# KiCad board OPS-K3572.kicad_pcb (continued)
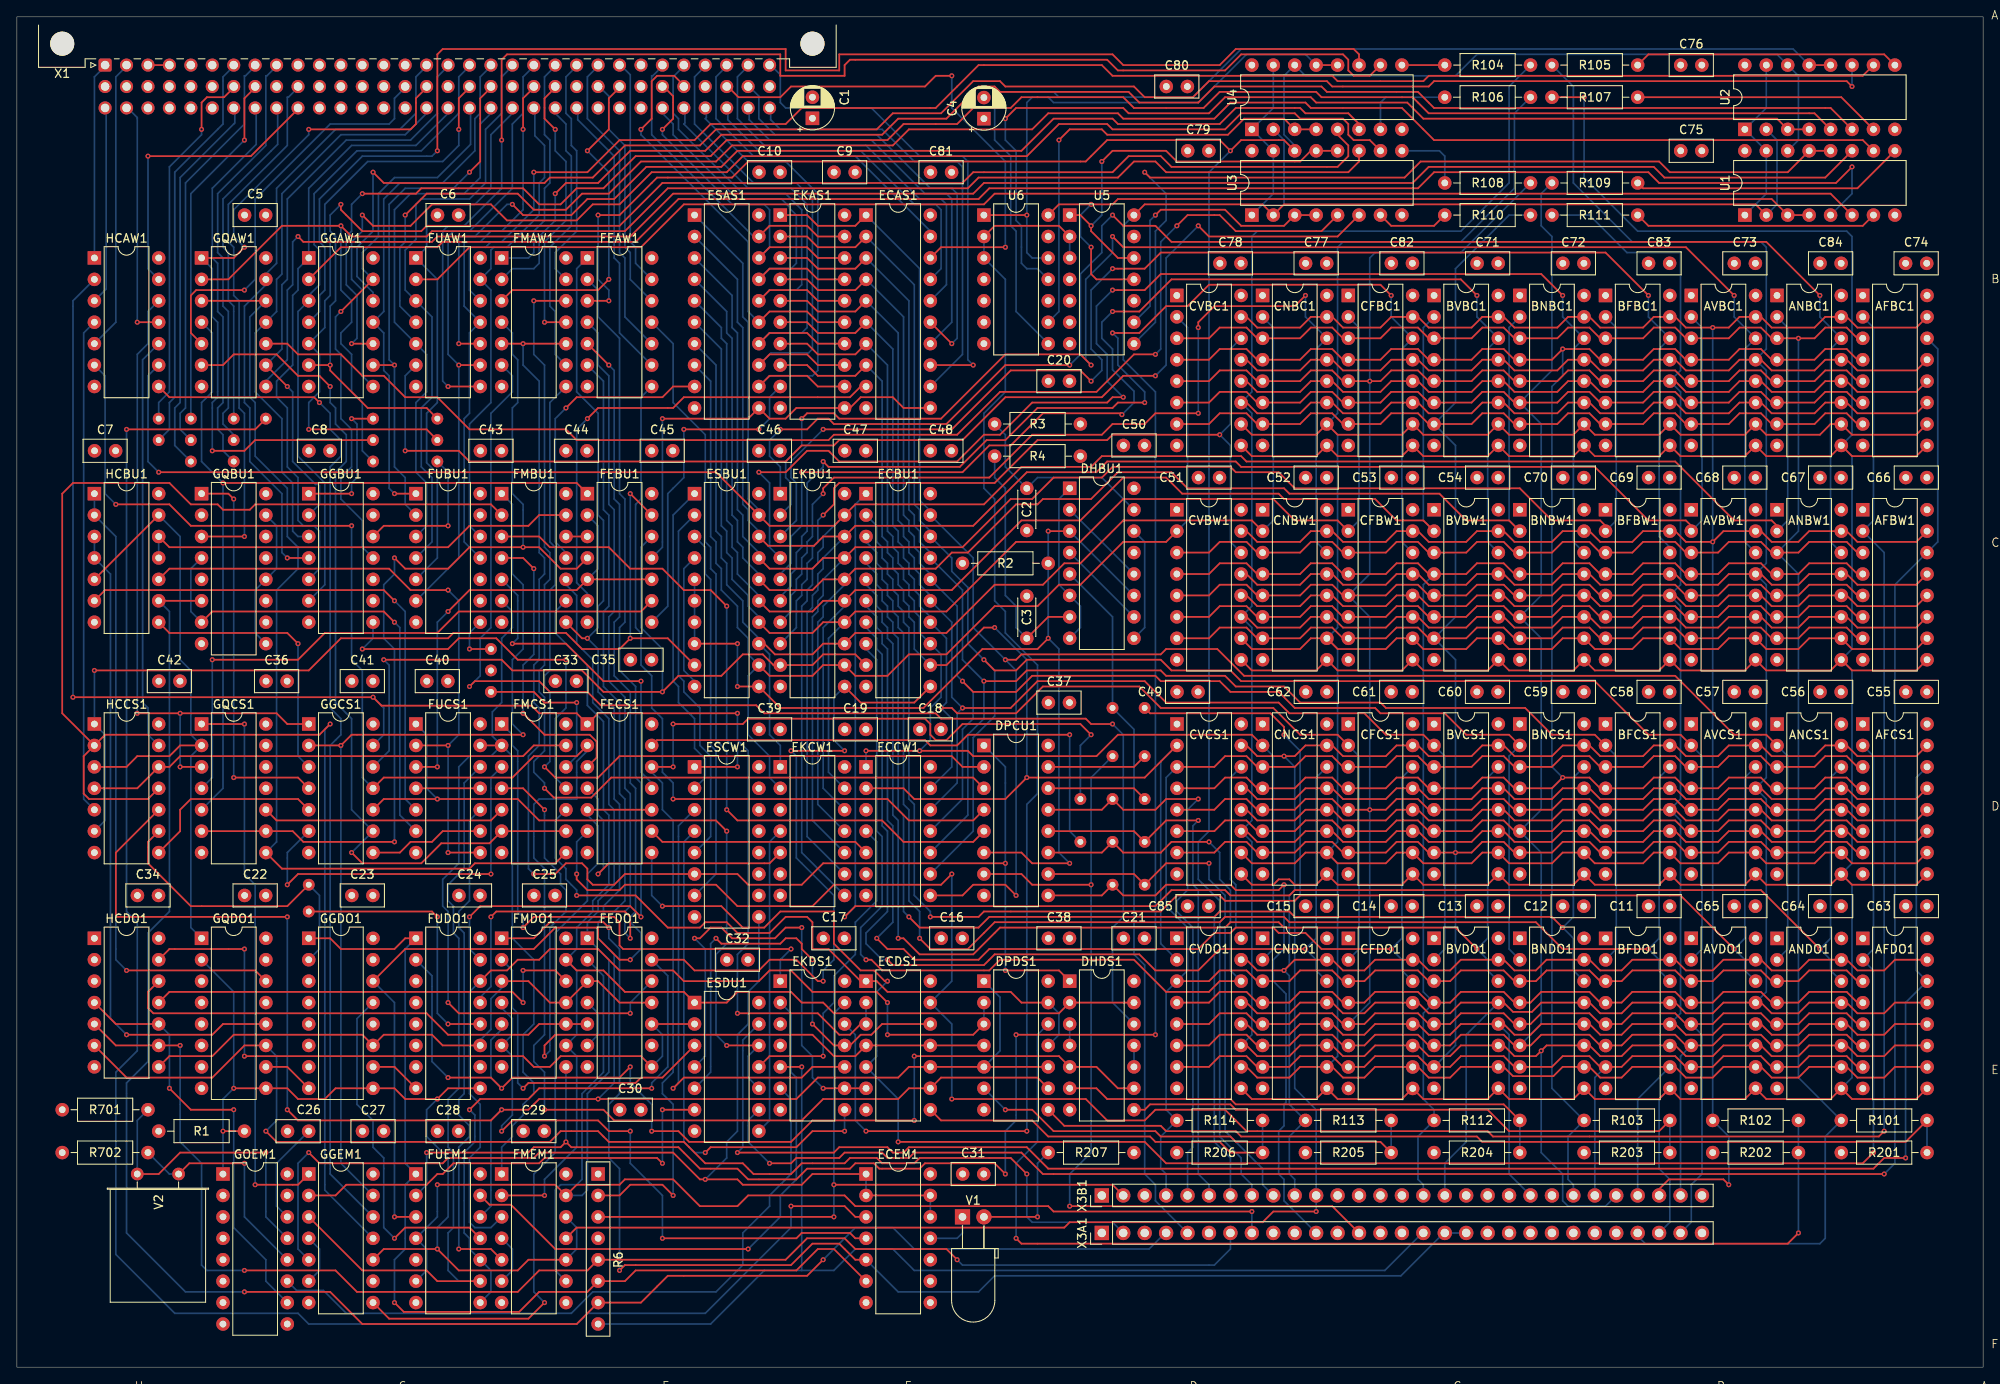
[diagram p0: board, top side]
## Routing (per net, layer and track width the routed paths; a pad name or vN(x,y) marks a point on that pad's centre or on a via; arc(x,y) is an arc through that point) (continued)
-RAS1: length 283.9
  Top w0.2: 137.45,68.61 141.9,68.61 143.17,69.88 145.71,69.88 146.98,68.61 CNCS1.4 151.43,68.61 152.69,69.88 155.87,69.88 157.14,68.61 CFCS1.4 162.22,68.61 163.49,69.88 166.03,69.88 167.3,68.61 BVCS1.4 172.38,68.61 173.65,69.88 176.19,69.88 177.46,68.61 BNCS1.4 181.91,68.61 v1(183.18,69.88) 186.35,69.88 187.62,68.61 BFCS1.4 192.7,68.61 193.97,69.88 196.51,69.88 197.78,68.61 AVCS1.4 201.59,68.61 202.86,69.88 206.67,69.88 207.94,68.61 213.02,68.61 214.29,69.88 216.83,69.88 218.1,68.61 AFCS1.4 ; AFBC1.4 218.1,119.41 216.83,120.68 214.29,120.68 213.02,119.41 ANBC1.4 207.94,119.41 206.67,120.68 204.13,120.68 202.86,119.41 AVBC1.4 197.78,119.41 196.51,120.68 193.97,120.68 192.7,119.41 BFBC1.4 187.62,119.41 186.35,120.68 v1(183.18,120.68) 181.91,119.41 BNBC1.4 177.46,119.41 176.19,120.68 173.65,120.68 172.38,119.41 BVBC1.4 167.3,119.41 166.03,120.68 162.86,120.68 161.58,119.41 CFBC1.4 157.14,119.41 155.87,120.68 153.33,120.68 152.06,119.41 CNBC1.4 146.98,119.41 145.71,120.68 142.54,120.68 141.26,119.41 CVBC1.4
  Bottom w0.2: v1(183.18,120.68) 183.18,117.51 181.91,116.24 181.91,71.15 v1(183.18,69.88) 181.91,68.61 181.91,33.05 R103.2 183.81,27.34 183.81,22.26 184.44,21.62 X3B1.23
-REF-CLR: length 197.5
  Top w0.2: v1(49.83,21.62) 63.8,21.62 FMEM1.13 66.34,21.62 71.42,21.62 72.05,22.26 77.77,22.26 80.94,19.08 85.39,19.08 86.66,20.35 98.08,20.35 99.36,19.08 122.21,19.08 122.85,18.45 v1(146.35,18.45)
  Bottom w0.2: v1(146.35,18.45) X3A1.8 ; FMEM1.13 66.97,20.35 67.61,20.99 67.61,32.42 70.14,34.96 70.14,48.29 FEDO1.1 67.61,52.74 68.88,54.01 68.88,55.28 70.78,57.18 70.78,66.07 70.14,66.71 70.14,76.87 68.24,78.77 68.24,83.85 66.34,85.76 66.34,91.47 65.06,92.74 FMBU1.10 ; v1(49.83,21.62) 49.83,17.81 FUEM1.4 48.56,14 48.56,11.46 FUEM1.6
-SET-MCLK: length 168.2
  Top w0.2: v1(111.42,12.73) 110.15,14 99.36,14 98.08,15.27 93.64,15.27 91.1,12.73 R6.5 67.61,11.46 61.89,11.46 59.35,8.92 40.3,8.92 37.76,11.46 v1(26.97,11.46) ; v1(19.34,38.13) HCDO1.9 11.73,38.13 HCDO1.5
  Bottom w0.2: X3A1.7 143.81,14 141.9,12.1 112.05,12.1 v1(111.42,12.73) ; v1(26.97,11.46) 22.52,11.46 21.89,12.1 21.89,24.16 19.34,26.7 v1(19.34,38.13)
-WE0: length 314.3
  Top w0.2: AFBC1.3 218.1,121.95 216.83,123.22 214.29,123.22 213.02,121.95 v1(211.12,121.95) ANBC1.3 207.94,121.95 206.67,123.22 204.13,123.22 202.86,121.95 AVBC1.3 197.78,121.95 196.51,123.22 193.97,123.22 192.7,121.95 BFBC1.3 187.62,121.95 186.35,123.22 183.81,123.22 182.54,121.95 BNBC1.3 177.46,121.95 176.19,123.22 173.65,123.22 172.38,121.95 BVBC1.3 167.3,121.95 166.03,123.22 162.86,123.22 161.58,121.95 CFBC1.3 157.14,121.95 155.87,123.22 153.33,123.22 152.06,121.95 CNBC1.3 146.98,121.95 145.71,123.22 142.54,123.22 141.26,121.95 CVBC1.3 ; AFBW1.3 218.1,96.55 216.83,97.82 212.38,97.82 211.12,96.55 ANBW1.3 207.94,96.55 206.67,97.82 202.86,97.82 201.59,96.55 AVBW1.3 197.78,96.55 196.51,97.82 192.7,97.82 191.43,96.55 BFBW1.3 187.62,96.55 186.35,97.82 183.18,97.82 181.91,96.55 BNBW1.3 177.46,96.55 176.19,97.82 173.01,97.82 171.75,96.55 BVBW1.3 167.3,96.55 166.03,97.82 163.49,97.82 162.22,96.55 CFBW1.3 157.14,96.55 155.87,97.82 153.33,97.82 152.06,96.55 CNBW1.3 146.98,96.55 145.71,97.82 142.54,97.82 141.26,96.55 CVBW1.3
  Bottom w0.2: 191.82,15.78 192.97,14.63 213.65,14.63 214.29,15.27 214.29,27.34 R101.2 211.12,34.32 211.12,94.01 ANBW1.3 211.12,99.09 v1(211.12,121.95)
-WE1: length 234.4
  Top w0.2: CVDO1.3 141.26,45.75 142.54,47.02 145.71,47.02 146.98,45.75 CNDO1.3 150.79,45.75 152.06,47.02 155.87,47.02 157.14,45.75 159.68,45.75 160.95,47.02 166.03,47.02 167.3,45.75 BVDO1.3 169.84,45.75 171.11,47.02 176.19,47.02 177.46,45.75 BNDO1.3 180,45.75 181.27,47.02 186.35,47.02 187.62,45.75 190.16,45.75 191.43,47.02 196.51,47.02 197.78,45.75 AVDO1.3 200.95,45.75 202.23,47.02 206.67,47.02 207.94,45.75 211.12,45.75 212.38,47.02 216.83,47.02 218.1,45.75 218.74,45.75 ; 137.45,71.15 141.9,71.15 143.17,72.42 145.71,72.42 146.98,71.15 CNCS1.3 151.43,71.15 152.69,72.42 155.87,72.42 157.14,71.15 CFCS1.3 162.22,71.15 163.49,72.42 166.03,72.42 167.3,71.15 BVCS1.3 172.38,71.15 173.65,72.42 176.19,72.42 177.46,71.15 BNCS1.3 181.91,71.15 183.18,72.42 186.35,72.42 187.62,71.15 BFCS1.3 192.7,71.15 193.97,72.42 196.51,72.42 197.78,71.15 AVCS1.3 201.59,71.15 202.86,72.42 206.67,72.42 207.94,71.15 213.02,71.15 214.29,72.42 216.83,72.42 218.1,71.15 AFCS1.3
  Bottom w0.2: X3B1.4 136.19,22.89 135.55,23.53 135.55,27.34 R114.2 136.19,30.51 136.19,44.48 CVDO1.3 138.73,47.02 138.73,52.1 136.19,54.64 136.19,69.88 137.45,71.15
-XACK: length 62.8
  Top w0.2: v1(26.97,98.46) GQBU1.3
  Bottom w0.2: v1(26.97,98.46) 26.97,113.06 26.33,113.7 26.33,126.4 25.7,127.03 25.7,132.75 25.06,133.38 25.06,137.83 32.05,144.81 32.05,150.53 32.17,150.53 33.44,151.8
-XACKIN: length 216.6
  Top w0.2: v1(95.55,12.73) 93.64,10.83 77.13,10.83 73.95,7.65 R6.7 66.34,5.11 40.94,5.11 37.12,8.92 v1(26.97,8.92) ; HCBU1.9 GQBU1.6
  Bottom w0.2: HCBU1.9 18.08,89.57 18.08,54.01 15.54,51.47 15.54,36.23 13,33.69 13,15.91 19.98,8.92 v1(26.97,8.92) ; v1(95.55,12.73) 99.36,16.54 103.8,16.54 106.34,14 134.16,14 135.94,15.78
/SB1: length 95.9
  Top w0.2: v1(43.48,83.85) 57.45,83.85 58.72,82.58 66.97,82.58 69.51,80.04 v1(76.5,80.04) 78.4,81.95 83.48,81.95 86.02,84.49 88.39,84.49 89.66,83.22 EKBU1.9 94.28,83.22 95.55,84.49 99.36,84.49 ECBU1.9
  Bottom w0.2: GGCS1.12 44.11,73.06 44.11,83.22 v1(43.48,83.85) ; FEBU1.12 73.95,97.19 73.95,87.66 76.5,85.12 v1(76.5,80.04)
/SB2: length 13.8
  Top w0.2: FUCS1.9 50.46,63.53 49.19,62.26 46.65,62.26 45.38,60.99 GGCS1.8
/SB3: length 219.1
  Top w0.2: v1(62.53,30.51) 69.51,30.51 70.78,29.24 93,29.24 95.55,31.78 104.43,31.78 105.7,33.05 ECDS1.9 109.52,34.32 120.95,34.32 DPDS1.9 ; v1(39.67,99.73) 20.62,99.73 18.08,102.27 v1(11.73,102.27) ; GGCS1.11 43.48,69.88 58.72,69.88 61.25,72.42 66.34,72.42 67.61,73.69
  Bottom w0.2: HCAW1.6 10.45,117.51 10.45,103.54 v1(11.73,102.27) ; GGCS1.11 40.94,69.88 40.94,82.58 39.67,83.85 v1(39.67,99.73) ; v1(62.53,30.51) 62.53,34.96 61.25,36.23 61.25,38.13 62.53,39.4 62.53,59.09 61.25,60.36 61.25,66.71 61.89,67.34 66.34,67.34 66.34,71.79 67.61,73.06 67.61,73.69
/SB4: length 35.1
  Top w0.2: v1(65.06,113.7) 66.34,114.97 76.5,114.97 77.77,116.24 ESAS1.9
  Bottom w0.2: FMBU1.11 65.06,96.55 63.8,97.82 63.8,112.43 v1(65.06,113.7)
/SB5: length 39.5
  Top w0.2: v1(79.03,111.16) v1(87.92,111.16)
  Bottom w0.2: FEBU1.8 77.13,90.2 77.13,103.54 79.03,105.44 v1(79.03,111.16) ; v1(87.92,111.16) 89.2,112.43 89.2,114.97 EKAS1.9
/SB6: length 57.2
  Top w0.2: ECAS1.9 99.99,116.24 98.72,114.97 79.03,114.97 77.77,113.7 68.88,113.7 v1(67.61,112.43)
  Bottom w0.2: v1(67.61,112.43) 66.34,111.16 66.34,92.97 67.61,91.7 FEBU1.6
/SB7: length 92.9
  Top w0.2: v1(62.53,36.86) 62.53,38.13 63.8,39.4 94.28,39.4 96.82,36.86 99.36,36.86 ECDS1.4 ECDS1.11 DPDS1.4 ; v1(62.53,66.07) 59.98,68.61 FMCS1.4
  Bottom w0.2: v1(62.53,66.07) 62.53,60.36 64.43,58.45 64.43,57.18 65.06,56.55 65.06,54.01 63.16,52.1 63.16,37.5 v1(62.53,36.86)
/SB8: length 83
  Top w0.2: DPDS1.13 119.04,43.21 117.77,44.48 103.17,44.48 101.89,45.75 ECDS1.1 99.99,45.75 96.18,49.56 94.28,49.56 94.28,52.74 93.64,53.37 91.1,53.37 89.2,51.47 85.39,51.47 84.11,52.74 81.58,52.74 80.94,52.1 77.13,52.1 73.32,55.91 v1(66.34,55.91)
  Bottom w0.2: FMCS1.10 63.8,64.8 63.8,60.36 65.06,59.09 65.06,57.82 66.34,56.55 v1(66.34,55.91) ; DPDS1.13 123.48,41.94 123.48,39.4 DPDS1.11
/SB9: length 138.8
  Top w0.2: 54.91,73.69 57.45,73.69 ; v1(51.09,43.21) 52.36,41.94 v1(72.69,41.94)
  Bottom w0.2: v1(72.69,41.94) 72.69,43.21 FEDO1.12 ; FMBU1.6 58.72,89.57 58.72,87.66 57.45,86.39 57.45,78.77 56.34,77.67 56.34,74.79 57.45,73.69 ; FMEM1.1 57.45,26.07 58.72,27.34 58.72,28.61 59.98,29.88 59.98,31.15 61.25,32.42 61.25,33.69 59.98,34.96 59.98,39.4 61.25,40.67 61.25,48.29 58.72,50.83 58.72,72.42 57.45,73.69 ; 57.45,73.69 56.17,72.42 53.64,72.42 52.36,71.15 52.36,59.72 50.46,57.82 50.46,54.64 51.09,54.01 v1(51.09,43.21)
/SB10: length 51.4
  Top w0.2: ECAS1.11 105.07,113.7 103.8,114.97 99.99,114.97 98.72,113.7 EKAS1.11 92.37,113.7 91.1,112.43 89.2,112.43 ESAS1.11 86.66,112.43 v1(76.5,112.43)
  Bottom w0.2: v1(76.5,112.43) 76.5,97.19 FEBU1.11
/SB11: length 58
  Top w0.2: 65.06,73.69 61.25,73.69 59.98,72.42 19.34,72.42 18.08,71.15 HCCS1.12 14.27,68.61 HCCS1.4
/SB12: length 144.1
  Top w0.2: EKBU1.11 99.99,78.77 106.34,78.77 ECBU1.11 ; v1(75.23,33.05) 61.89,33.05 60.62,31.78 54.91,31.78 v1(53.64,30.51) ; FEDO1.13 79.03,48.29 80.31,47.02 87.92,47.02 89.2,48.29 92.37,48.29 94.91,45.75 v1(95.55,45.75) ; v1(98.08,73.06) v1(91.73,73.06)
  Bottom w0.2: FUEM1.8 56.17,8.92 56.17,11.46 FUEM1.10 53.64,14 53.64,15.27 53,15.91 53,25.43 54.27,26.7 54.27,29.88 v1(53.64,30.51) ; FEDO1.13 77.13,46.39 77.13,35.59 75.23,33.69 v1(75.23,33.05) ; v1(95.55,45.75) 95.55,47.02 96.82,48.29 96.82,55.91 92.37,60.36 92.37,72.42 v1(91.73,73.06) ; EKBU1.11 96.82,79.41 96.82,74.33 v1(98.08,73.06)
/SB13: length 75.7
  Top w0.2: v1(51.09,60.99) FUCS1.8 ; HCBU1.10 18.08,94.65 44.11,94.65 46.65,92.11 v1(51.09,92.11) ; v1(51.09,73.69) 47.28,73.69
  Bottom w0.2: v1(51.09,92.11) 52.36,90.84 52.36,74.96 v1(51.09,73.69) v1(51.09,60.99)
/SB14: length 52.9
  Top w0.2: FMBU1.13 61.89,101 60.62,99.73 53.64,99.73 51.09,97.19 18.08,97.19 HCBU1.12
  Bottom w0.2: HCBU1.12 HCBU1.11
/SB15: length 116.4
  Top w0.2: ESBU1.9 77.13,86.39 v1(72.69,86.39) 71.42,85.12 66.97,85.12 65.06,87.03 51.73,87.03 51.09,86.39 38.39,86.39 34.59,82.58 v1(9.19,82.58) ; v1(72.69,103.54) FEBU1.13
  Bottom w0.2: v1(9.19,82.58) HCCS1.1 10.45,74.96 10.45,64.8 HCCS1.6 ; v1(72.69,86.39) v1(72.69,103.54)
/SB16: length 62.4
  Top w0.2: v1(44.75,90.84) 43.48,92.11 10.45,92.11 HCBU1.6
  Bottom w0.2: FUCS1.5 46.02,67.34 46.02,89.57 v1(44.75,90.84)
/SB17: length 193.9
  Top w0.2: v1(6.65,79.41) v1(42.2,79.41) 43.2,78.41 60.98,78.41 61.89,77.5 66.34,77.5 FECS1.1 68.88,77.5 v1(85.39,77.5) ; v1(85.39,41.94) 94.91,41.94 97.45,39.4 98.72,39.4 99.99,40.67 100.63,40.67
  Bottom w0.2: v1(85.39,77.5) 85.39,74.33 86.66,73.06 86.66,50.2 85.39,48.93 v1(85.39,41.94) ; HCAW1.2 6.65,126.4 v1(6.65,79.41) ; v1(42.2,79.41) 43.48,78.14 43.48,74.96 42.2,73.69 ; 100.63,40.67 ECDS1.2
AD1_9: length 501.8
  Top w0.2: 137.45,66.07 141.9,66.07 143.17,67.34 145.71,67.34 146.98,66.07 CNCS1.5 151.43,66.07 152.69,67.34 155.87,67.34 157.14,66.07 CFCS1.5 v1(160.31,66.07) 162.22,66.07 163.49,67.34 166.03,67.34 167.3,66.07 BVCS1.5 172.38,66.07 173.65,67.34 176.19,67.34 177.46,66.07 BNCS1.5 181.91,66.07 183.18,67.34 186.35,67.34 187.62,66.07 BFCS1.5 192.7,66.07 193.97,67.34 196.51,67.34 197.78,66.07 AVCS1.5 201.59,66.07 202.86,67.34 206.67,67.34 207.94,66.07 213.02,66.07 214.29,67.34 216.83,67.34 218.1,66.07 AFCS1.5 ; AFBC1.5 218.1,116.87 216.83,118.14 214.29,118.14 213.02,116.87 ANBC1.5 207.94,116.87 206.67,118.14 204.13,118.14 202.86,116.87 AVBC1.5 197.78,116.87 196.51,118.14 193.97,118.14 192.7,116.87 BFBC1.5 187.62,116.87 186.35,118.14 183.81,118.14 182.54,116.87 BNBC1.5 177.46,116.87 176.19,118.14 173.65,118.14 172.38,116.87 BVBC1.5 167.3,116.87 166.03,118.14 162.86,118.14 161.58,116.87 v1(160.31,116.87) CFBC1.5 157.14,116.87 155.87,118.14 153.33,118.14 152.06,116.87 CNBC1.5 146.98,116.87 145.71,118.14 142.54,118.14 141.26,116.87 CVBC1.5 ; CVBW1.5 141.26,91.47 142.54,92.74 145.71,92.74 146.98,91.47 CNBW1.5 152.06,91.47 153.33,92.74 155.87,92.74 157.14,91.47 CFBW1.5 162.22,91.47 163.49,92.74 166.03,92.74 167.3,91.47 BVBW1.5 171.75,91.47 173.01,92.74 176.19,92.74 177.46,91.47 BNBW1.5 181.91,91.47 183.18,92.74 186.35,92.74 187.62,91.47 BFBW1.5 191.43,91.47 192.7,92.74 196.51,92.74 197.78,91.47 AVBW1.5 201.59,91.47 202.86,92.74 206.67,92.74 207.94,91.47 ANBW1.5 211.12,91.47 212.38,92.74 216.83,92.74 218.1,91.47 AFBW1.5 ; CVDO1.5 141.26,40.67 142.54,41.94 145.71,41.94 146.98,40.67 CNDO1.5 150.79,40.67 152.06,41.94 155.87,41.94 157.14,40.67 159.68,40.67 160.95,41.94 166.03,41.94 167.3,40.67 BVDO1.5 169.84,40.67 171.11,41.94 176.19,41.94 177.46,40.67 BNDO1.5 179.37,40.67 180.63,41.94 186.35,41.94 187.62,40.67 190.16,40.67 191.43,41.94 196.51,41.94 197.78,40.67 AVDO1.5 200.95,40.67 202.23,41.94 206.67,41.94 207.94,40.67 211.12,40.67 212.38,41.94 216.83,41.94 218.1,40.67 218.74,40.67
  Bottom w0.2: R108.2 171.11,132.11 160.95,132.11 160.31,131.48 v1(160.31,116.87) 160.31,94.01 CFBW1.5 160.31,88.93 v1(160.31,66.07) 160.31,43.21 157.77,40.67 ; X3A1.28 198.42,17.18 198.42,21.62 199.69,22.89 199.69,39.4 AVDO1.5
AD2_A: length 485.9
  Top w0.2: CVBW1.7 141.26,86.39 142.54,87.66 145.71,87.66 146.98,86.39 CNBW1.7 152.06,86.39 153.33,87.66 155.87,87.66 157.14,86.39 CFBW1.7 162.22,86.39 163.49,87.66 166.03,87.66 167.3,86.39 BVBW1.7 171.75,86.39 173.01,87.66 176.19,87.66 177.46,86.39 BNBW1.7 181.91,86.39 183.18,87.66 186.35,87.66 187.62,86.39 BFBW1.7 191.43,86.39 192.7,87.66 196.51,87.66 197.78,86.39 AVBW1.7 201.59,86.39 202.86,87.66 206.67,87.66 207.94,86.39 ANBW1.7 211.12,86.39 212.38,87.66 216.83,87.66 218.1,86.39 AFBW1.7 ; CVDO1.7 141.26,35.59 142.54,36.86 145.71,36.86 146.98,35.59 CNDO1.7 150.79,35.59 152.06,36.86 155.87,36.86 157.14,35.59 159.68,35.59 160.95,36.86 166.03,36.86 167.3,35.59 BVDO1.7 169.84,35.59 171.11,36.86 176.19,36.86 177.46,35.59 BNDO1.7 181.91,35.59 183.18,36.86 186.35,36.86 187.62,35.59 190.16,35.59 191.43,36.86 196.51,36.86 197.78,35.59 AVDO1.7 200.95,35.59 202.23,36.86 206.67,36.86 207.94,35.59 211.12,35.59 212.38,36.86 216.83,36.86 218.1,35.59 218.74,35.59 ; CVBC1.7 141.26,111.79 142.54,113.06 145.71,113.06 146.98,111.79 CNBC1.7 152.06,111.79 153.33,113.06 155.87,113.06 157.14,111.79 CFBC1.7 161.58,111.79 162.86,113.06 166.03,113.06 167.3,111.79 BVBC1.7 172.38,111.79 173.65,113.06 176.19,113.06 177.46,111.79 BNBC1.7 182.54,111.79 183.81,113.06 186.35,113.06 187.62,111.79 BFBC1.7 192.7,111.79 193.97,113.06 196.51,113.06 197.78,111.79 AVBC1.7 202.86,111.79 204.13,113.06 206.67,113.06 207.94,111.79 ANBC1.7 213.02,111.79 214.29,113.06 216.83,113.06 218.1,111.79 AFBC1.7 ; 137.45,60.99 141.9,60.99 143.17,62.26 145.71,62.26 146.98,60.99 CNCS1.7 151.43,60.99 152.69,62.26 155.87,62.26 157.14,60.99 CFCS1.7 162.22,60.99 163.49,62.26 166.03,62.26 167.3,60.99 BVCS1.7 v1(170.48,60.99) 172.38,60.99 173.65,62.26 176.19,62.26 177.46,60.99 BNCS1.7 181.91,60.99 183.18,62.26 186.35,62.26 187.62,60.99 BFCS1.7 192.7,60.99 193.97,62.26 196.51,62.26 197.78,60.99 AVCS1.7 201.59,60.99 202.86,62.26 206.67,62.26 207.94,60.99 213.02,60.99 214.29,62.26 216.83,62.26 218.1,60.99 AFCS1.7
  Bottom w0.2: X3B1.24 186.99,34.32 188.25,35.59 ; BVDO1.7 170.48,38.13 v1(170.48,60.99) 170.48,83.85 BVBW1.7 170.48,88.93 170.48,109.25 BVBC1.7 170.48,114.33 170.48,130.21 176.82,136.56 R110.2
AD3_B: length 488.3
  Top w0.2: 137.45,63.53 141.9,63.53 143.17,64.8 145.71,64.8 146.98,63.53 CNCS1.6 151.43,63.53 152.69,64.8 155.87,64.8 157.14,63.53 CFCS1.6 162.22,63.53 163.49,64.8 166.03,64.8 167.3,63.53 BVCS1.6 172.38,63.53 173.65,64.8 176.19,64.8 177.46,63.53 BNCS1.6 181.91,63.53 183.18,64.8 186.35,64.8 187.62,63.53 BFCS1.6 192.7,63.53 193.97,64.8 196.51,64.8 197.78,63.53 AVCS1.6 201.59,63.53 202.86,64.8 206.67,64.8 207.94,63.53 213.02,63.53 214.29,64.8 216.83,64.8 218.1,63.53 AFCS1.6 ; CVDO1.6 141.26,38.13 142.54,39.4 145.71,39.4 146.98,38.13 CNDO1.6 150.79,38.13 152.06,39.4 155.87,39.4 157.14,38.13 159.68,38.13 160.95,39.4 166.03,39.4 167.3,38.13 BVDO1.6 169.84,38.13 171.11,39.4 176.19,39.4 177.46,38.13 BNDO1.6 179.37,38.13 180.63,39.4 186.35,39.4 187.62,38.13 190.16,38.13 191.43,39.4 196.51,39.4 197.78,38.13 AVDO1.6 200.95,38.13 202.23,39.4 206.67,39.4 207.94,38.13 211.12,38.13 212.38,39.4 216.83,39.4 218.1,38.13 218.74,38.13 ; AFBW1.6 218.1,88.93 216.83,90.2 212.38,90.2 211.12,88.93 ANBW1.6 207.94,88.93 206.67,90.2 202.86,90.2 201.59,88.93 AVBW1.6 197.78,88.93 196.51,90.2 192.7,90.2 191.43,88.93 BFBW1.6 187.62,88.93 186.35,90.2 183.18,90.2 181.91,88.93 BNBW1.6 177.46,88.93 176.19,90.2 173.01,90.2 171.75,88.93 BVBW1.6 167.3,88.93 166.03,90.2 163.49,90.2 162.22,88.93 CFBW1.6 157.14,88.93 155.87,90.2 153.33,90.2 152.06,88.93 CNBW1.6 146.98,88.93 145.71,90.2 142.54,90.2 141.26,88.93 CVBW1.6 ; AFBC1.6 218.1,114.33 216.83,115.6 214.29,115.6 213.02,114.33 ANBC1.6 207.94,114.33 206.67,115.6 204.13,115.6 202.86,114.33 AVBC1.6 197.78,114.33 196.51,115.6 193.97,115.6 192.7,114.33 BFBC1.6 187.62,114.33 186.35,115.6 183.81,115.6 182.54,114.33 BNBC1.6 177.46,114.33 176.19,115.6 173.65,115.6 172.38,114.33 BVBC1.6 167.3,114.33 166.03,115.6 162.86,115.6 161.58,114.33 CFBC1.6 157.14,114.33 155.87,115.6 153.33,115.6 152.06,114.33 CNBC1.6 146.98,114.33 145.71,115.6 142.54,115.6 141.26,114.33 CVBC1.6
  Bottom w0.2: X3B1.28 197.14,36.86 AVDO1.6 ; R109.2 180.63,139.1 180.63,135.29 181.91,134.02 181.91,118.14 BNBC1.6 180.63,111.79 180.63,91.47 BNBW1.6 180.63,86.39 180.63,66.07 BNCS1.6 180.63,60.99 180.63,40.67 BNDO1.6
AD4_C: length 492.9
  Top w0.2: AFCS1.12 225.09,64.8 218.1,64.8 216.83,66.07 214.29,66.07 213.02,64.8 207.94,64.8 206.67,66.07 AVCS1.12 202.86,66.07 201.59,64.8 197.78,64.8 196.51,66.07 BFCS1.12 193.97,66.07 192.7,64.8 187.62,64.8 186.35,66.07 BNCS1.12 183.18,66.07 181.91,64.8 177.46,64.8 176.19,66.07 BVCS1.12 173.65,66.07 172.38,64.8 167.3,64.8 166.03,66.07 CFCS1.12 163.49,66.07 162.22,64.8 157.14,64.8 155.87,66.07 CNCS1.12 152.69,66.07 151.43,64.8 146.98,64.8 145.71,66.07 145.07,66.07 ; CVBW1.12 145.71,91.47 146.98,90.2 152.06,90.2 153.33,91.47 CNBW1.12 155.87,91.47 157.14,90.2 162.22,90.2 163.49,91.47 CFBW1.12 166.03,91.47 167.3,90.2 171.75,90.2 173.01,91.47 BVBW1.12 176.19,91.47 177.46,90.2 181.91,90.2 183.18,91.47 BNBW1.12 186.35,91.47 187.62,90.2 191.43,90.2 192.7,91.47 BFBW1.12 196.51,91.47 197.78,90.2 201.59,90.2 202.86,91.47 AVBW1.12 206.67,91.47 207.94,90.2 211.12,90.2 212.38,91.47 ANBW1.12 216.83,91.47 218.1,90.2 225.09,90.2 AFBW1.12 ; 226.36,40.67 222.55,40.67 221.27,39.4 218.1,39.4 216.83,40.67 212.38,40.67 211.12,39.4 207.94,39.4 206.67,40.67 AVDO1.12 202.23,40.67 200.95,39.4 197.78,39.4 196.51,40.67 191.43,40.67 190.16,39.4 187.62,39.4 186.35,40.67 BNDO1.12 180.63,40.67 179.37,39.4 177.46,39.4 176.19,40.67 BVDO1.12 171.11,40.67 169.84,39.4 167.3,39.4 166.03,40.67 160.95,40.67 159.68,39.4 157.14,39.4 155.87,40.67 CNDO1.12 152.06,40.67 150.79,39.4 146.98,39.4 145.71,40.67 CVDO1.12 ; CVBC1.12 145.71,116.87 146.98,115.6 152.06,115.6 153.33,116.87 CNBC1.12 155.87,116.87 157.14,115.6 161.58,115.6 162.86,116.87 CFBC1.12 166.03,116.87 167.3,115.6 172.38,115.6 173.65,116.87 BVBC1.12 176.19,116.87 177.46,115.6 182.54,115.6 183.81,116.87 BNBC1.12 186.35,116.87 187.62,115.6 192.7,115.6 193.97,116.87 BFBC1.12 196.51,116.87 197.78,115.6 202.86,115.6 204.13,116.87 AVBC1.12 206.67,116.87 207.94,115.6 213.02,115.6 214.29,116.87 ANBC1.12 216.83,116.87 218.1,115.6 225.09,115.6 AFBC1.12
  Bottom w0.2: BVDO1.12 176.82,39.4 176.82,22.89 X3B1.21 ; R111.2 186.35,136.56 190.8,132.11 197.14,132.11 197.14,118.14 BFBC1.12 197.14,115.6 197.14,92.74 BFBW1.12 197.14,90.2 197.14,67.34 BFCS1.12 197.14,64.8 197.14,41.94 195.88,40.67
AD5_D: length 532.5
  Top w0.2: CVDO1.11 145.71,38.13 146.98,36.86 150.79,36.86 152.06,38.13 CNDO1.11 155.87,38.13 157.14,36.86 159.68,36.86 160.95,38.13 166.03,38.13 167.3,36.86 169.84,36.86 171.11,38.13 BVDO1.11 176.19,38.13 177.46,36.86 180,36.86 181.27,38.13 BNDO1.11 186.35,38.13 187.62,36.86 190.16,36.86 191.43,38.13 196.51,38.13 197.78,36.86 200.95,36.86 202.23,38.13 AVDO1.11 206.67,38.13 207.94,36.86 211.12,36.86 212.38,38.13 216.83,38.13 218.1,36.86 221.27,36.86 222.55,38.13 226.36,38.13 ; CVBW1.11 145.71,88.93 146.98,87.66 152.06,87.66 153.33,88.93 CNBW1.11 155.87,88.93 157.14,87.66 162.22,87.66 163.49,88.93 CFBW1.11 166.03,88.93 167.3,87.66 171.75,87.66 173.01,88.93 BVBW1.11 176.19,88.93 177.46,87.66 181.91,87.66 183.18,88.93 BNBW1.11 186.35,88.93 187.62,87.66 191.43,87.66 192.7,88.93 BFBW1.11 196.51,88.93 197.78,87.66 201.59,87.66 202.86,88.93 AVBW1.11 206.67,88.93 207.94,87.66 211.12,87.66 212.38,88.93 ANBW1.11 216.83,88.93 218.1,87.66 225.09,87.66 AFBW1.11 ; CVBC1.11 145.71,114.33 146.98,113.06 152.06,113.06 153.33,114.33 CNBC1.11 155.87,114.33 157.14,113.06 161.58,113.06 162.86,114.33 CFBC1.11 166.03,114.33 167.3,113.06 172.38,113.06 173.65,114.33 BVBC1.11 176.19,114.33 177.46,113.06 182.54,113.06 183.81,114.33 BNBC1.11 186.35,114.33 187.62,113.06 192.7,113.06 193.97,114.33 BFBC1.11 196.51,114.33 197.78,113.06 202.86,113.06 204.13,114.33 AVBC1.11 206.67,114.33 207.94,113.06 213.02,113.06 214.29,114.33 ANBC1.11 216.83,114.33 218.1,113.06 225.09,113.06 AFBC1.11 ; 145.07,63.53 145.71,63.53 146.98,62.26 151.43,62.26 152.69,63.53 CNCS1.11 155.87,63.53 157.14,62.26 162.22,62.26 163.49,63.53 CFCS1.11 166.03,63.53 167.3,62.26 172.38,62.26 173.65,63.53 BVCS1.11 176.19,63.53 177.46,62.26 181.91,62.26 183.18,63.53 BNCS1.11 186.35,63.53 187.62,62.26 192.7,62.26 193.97,63.53 BFCS1.11 196.51,63.53 197.78,62.26 201.59,62.26 202.86,63.53 AVCS1.11 206.67,63.53 207.94,62.26 213.02,62.26 214.29,63.53 216.83,63.53 218.1,62.26 225.09,62.26 AFCS1.11
  Bottom w0.2: R104.2 176.82,151.8 176.82,140.37 171.11,134.65 146.98,134.65 146.35,134.02 146.35,115.6 CVBC1.11 146.35,113.06 146.35,90.2 CVBW1.11 146.35,87.66 146.35,64.8 145.07,63.53 146.35,62.26 146.35,39.4 CVDO1.11 ; v1(180.63,37.5) 180.63,25.43 183.18,22.89 183.18,19.72 183.81,19.08 188.25,19.08 X3B1.25
AD6_E: length 513
  Top w0.2: AFBC1.10 225.09,110.52 217.46,110.52 ANBC1.10 214.93,111.79 213.66,110.52 207.31,110.52 AVBC1.10 204.76,110.52 197.14,110.52 BFBC1.10 194.61,110.52 186.99,110.52 BNBC1.10 184.44,110.52 176.82,110.52 BVBC1.10 174.29,110.52 166.67,110.52 CFBC1.10 164.12,110.52 156.5,110.52 CNBC1.10 153.96,110.52 146.35,110.52 CVBC1.10 ; BNBW1.10 186.99,85.12 191.43,85.12 192.7,86.39 BFBW1.10 ; BNBW1.10 183.18,86.39 181.91,85.12 176.82,85.12 BVBW1.10 173.01,86.39 171.75,85.12 166.67,85.12 CFBW1.10 163.49,86.39 162.22,85.12 156.5,85.12 CNBW1.10 153.33,86.39 152.06,85.12 146.35,85.12 CVBW1.10 ; BNBW1.10 186.35,86.39 ; AFBW1.10 225.09,85.12 217.46,85.12 ANBW1.10 212.38,86.39 211.12,85.12 207.31,85.12 AVBW1.10 202.86,86.39 201.59,85.12 197.14,85.12 BFBW1.10 ; 226.36,35.59 222.55,35.59 221.27,34.32 218.1,34.32 216.83,35.59 212.38,35.59 211.12,34.32 207.94,34.32 206.67,35.59 AVDO1.10 202.23,35.59 200.95,34.32 197.78,34.32 196.51,35.59 191.43,35.59 190.16,34.32 187.62,34.32 186.35,35.59 BNDO1.10 183.18,35.59 182.07,34.49 177.29,34.49 176.19,35.59 BVDO1.10 171.11,35.59 169.84,34.32 167.3,34.32 166.03,35.59 160.95,35.59 159.68,34.32 157.14,34.32 155.87,35.59 CNDO1.10 152.06,35.59 150.79,34.32 146.98,34.32 145.71,35.59 CVDO1.10 ; BFBW1.10 196.51,86.39 ; AFCS1.10 225.09,59.72 217.46,59.72 216.19,60.99 214.29,60.99 213.02,59.72 207.31,59.72 AVCS1.10 202.86,60.99 201.59,59.72 197.14,59.72 BFCS1.10 193.97,60.99 192.7,59.72 186.99,59.72 BNCS1.10 183.18,60.99 181.91,59.72 176.82,59.72 BVCS1.10 173.65,60.99 172.38,59.72 166.67,59.72 CFCS1.10 163.49,60.99 162.22,59.72 156.5,59.72 CNCS1.10 152.69,60.99 151.43,59.72 146.35,59.72 145.07,60.99
  Bottom w0.2: 195.88,35.59 192.06,31.78 X3B1.26 ; R106.2 177.46,148.62 177.46,139.73 171.11,133.38 157.14,133.38 156.5,132.75 156.5,113.06 CNBC1.10 156.5,110.52 156.5,87.66 CNBW1.10 156.5,85.12 156.5,62.26 CNCS1.10 156.5,59.72 156.5,36.86 CNDO1.10
AD7_F: length 518.4
  Top w0.2: CVBC1.13 145.71,119.41 146.98,118.14 152.06,118.14 153.33,119.41 CNBC1.13 155.87,119.41 157.14,118.14 161.58,118.14 162.86,119.41 CFBC1.13 166.03,119.41 167.3,118.14 172.38,118.14 173.65,119.41 BVBC1.13 176.19,119.41 177.46,118.14 182.54,118.14 183.81,119.41 BNBC1.13 186.35,119.41 187.62,118.14 192.7,118.14 193.97,119.41 BFBC1.13 196.51,119.41 197.78,118.14 202.86,118.14 204.13,119.41 AVBC1.13 206.67,119.41 207.94,118.14 213.02,118.14 214.29,119.41 ANBC1.13 216.83,119.41 218.1,118.14 225.09,118.14 AFBC1.13 ; CVDO1.13 145.71,43.21 146.98,41.94 150.79,41.94 152.06,43.21 CNDO1.13 155.87,43.21 157.14,41.94 159.68,41.94 160.95,43.21 166.03,43.21 167.3,41.94 169.84,41.94 171.11,43.21 BVDO1.13 176.19,43.21 177.29,42.11 179.54,42.11 180.63,43.21 BNDO1.13 186.35,43.21 187.62,41.94 190.16,41.94 191.43,43.21 196.51,43.21 197.78,41.94 200.95,41.94 202.23,43.21 AVDO1.13 206.67,43.21 207.94,41.94 211.12,41.94 212.38,43.21 216.83,43.21 218.1,41.94 221.27,41.94 222.55,43.21 226.36,43.21 ; 145.07,68.61 145.71,68.61 146.98,67.34 151.43,67.34 152.69,68.61 CNCS1.13 155.87,68.61 157.14,67.34 162.22,67.34 163.49,68.61 CFCS1.13 166.03,68.61 167.3,67.34 172.38,67.34 173.65,68.61 BVCS1.13 176.19,68.61 177.46,67.34 181.91,67.34 183.18,68.61 BNCS1.13 186.35,68.61 187.62,67.34 192.7,67.34 193.97,68.61 BFCS1.13 196.51,68.61 197.78,67.34 201.59,67.34 202.86,68.61 AVCS1.13 206.67,68.61 207.94,67.34 213.02,67.34 214.29,68.61 216.83,68.61 218.1,67.34 225.09,67.34 AFCS1.13 ; AFBW1.13 225.09,92.74 218.1,92.74 216.83,94.01 ANBW1.13 212.38,94.01 211.12,92.74 207.94,92.74 206.67,94.01 AVBW1.13 202.86,94.01 201.59,92.74 197.78,92.74 196.51,94.01 BFBW1.13 192.7,94.01 191.43,92.74 187.62,92.74 186.35,94.01 BNBW1.13 183.18,94.01 181.91,92.74 177.46,92.74 176.19,94.01 BVBW1.13 173.01,94.01 171.75,92.74 167.3,92.74 166.03,94.01 CFBW1.13 163.49,94.01 162.22,92.74 157.14,92.74 155.87,94.01 CNBW1.13 153.33,94.01 152.06,92.74 146.98,92.74 145.71,94.01 CVBW1.13